# Altium PCB main - Copy.PcbDoc (part 7 of 14) (continued)
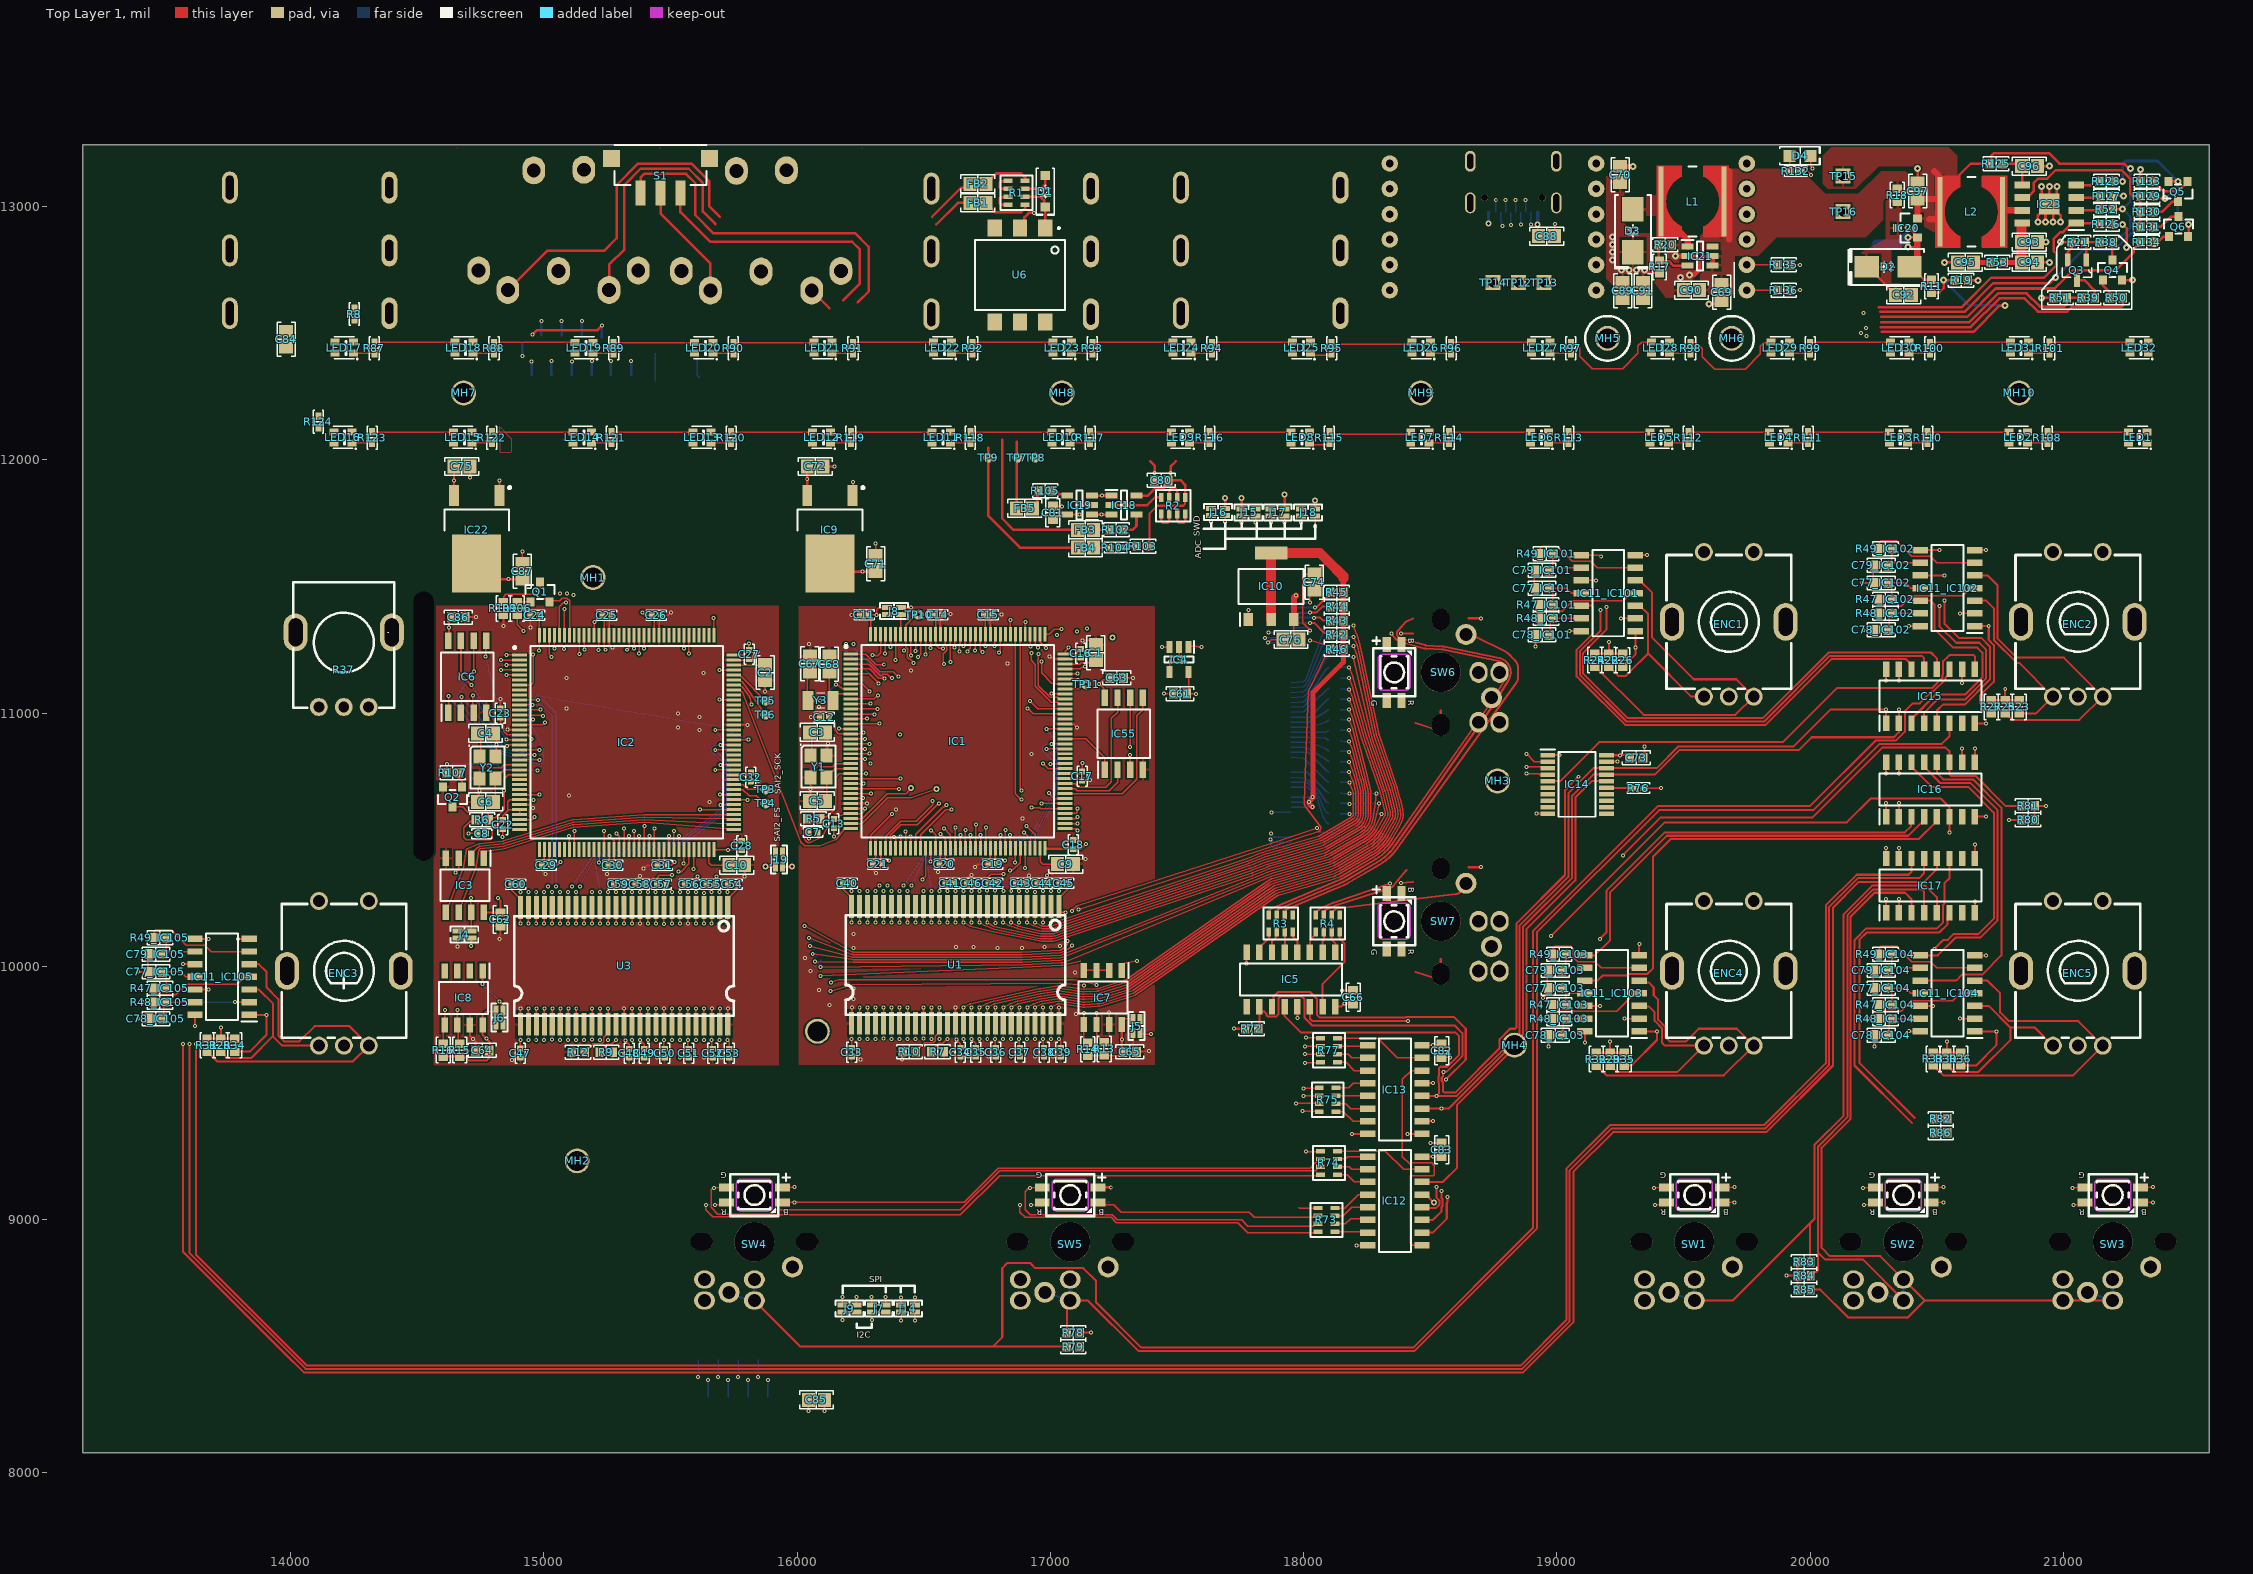
[diagram p0: Top Layer 1 view]
## Nets (pads, with @x,y where several pads share a name; then routed paths per layer and width w, separated by ;. In a path a pad name is that pad's centre, name@x,y a point inside that pad or via, vN(x,y) a via of type N, cw(c..) or ccw(c..) an arc to the next point about the centre after c; other vN are vias at no path point) (continued)
  Bottom 6+gnd w5: U2.44@16719.49,10236.22 v1@16719.49,10298.06 ; R65.2@18144.17,11096.87 18145,11096.69 18157.54,11094.03 v1(18179.31,11094.03)
D10: IC1.66 R66.2 U1.45 U2.45 | length 3395.8
  Top Layer 1 w5: U1.45@16750.98,9775.59 16751.23,9818.09 v1(16751.23,9837.68) 16752.7,9839.14 cw(c16756.23,9835.6) 16753.92,9840.04 16775.62,9851.31 cw(c16782.72,9837.68) 16779.47,9852.7 16959.98,9891.8 cw(c16971.7,9837.68) 16962.89,9892.35 17024.29,9902.22 cw(c17034.69,9837.68) 17044.53,9902.31 17126.5,9889.72 ccw(c17131.96,9924.67) 17133.79,9889.34 17183.87,9891.88 ccw(c17182.09,9927.2) 17192.58,9893.42 17303.03,9927.69 ccw(c17294.88,9953.96) 17310.63,9931.41 17867.03,10319.51 cw(c17906.89,10262.58) 17887.58,10329.34 18096.36,10389.75 ccw(c18056.25,10529.09) 18129.21,10403.78 18253.69,10476.43 ccw(c18180.42,10601.98) 18306.49,10529.6 18338.08,10584.61 ccw(c18307.4,10602.23) 18341.79,10610.53 18332.04,10650.89 ccw(c18297.66,10642.59) 18331.9,10651.46 18321.69,10690.67 ccw(c18287.45,10681.8) 18320.85,10693.46 18250.63,10898.5 cw(c18338.58,10928.53) 18249.14,10903.28 18194.1,11098.21 ccw(c18179.31,11094.03) 18193.76,11099.28 v1(18179.31,11139.03) ; v1(16860.36,10410.52) 16861.27,10411.44 IC1.66@16861.27,10466.15
  Layer 3 w5: v1(16751.23,9837.68) 16751.23,10149.87 ; v1(16860.36,10410.52) 16833.45,10403.33 ccw(c16840,10378.82) 16827.33,10400.81 16802.49,10386.49 ccw(c16815.15,10364.5) 16801.96,10386.18 16752.4,10356.02 ; 16749.77,10153.31 cw(c16746.23,10149.78) 16751.23,10149.87 ; 16749.77,10153.31 cw(c16746.23,10149.78) 16751.23,10149.87 ; 16749.77,10153.31 cw(c16746.23,10149.78) 16751.23,10149.87 ; 16749.77,10153.31 cw(c16746.23,10149.78) 16751.23,10149.87 ; 16749.77,10153.31 cw(c16746.23,10149.78) 16751.23,10149.87 ; 16749.77,10153.31 cw(c16746.23,10149.78) 16751.23,10149.87 ; 16749.77,10153.31 cw(c16746.23,10149.78) 16751.23,10149.87 ; 16749.77,10153.31 cw(c16746.23,10149.78) 16751.23,10149.87 ; 16749.77,10153.31 cw(c16746.23,10149.78) 16751.23,10149.87 ; 16749.77,10153.31 cw(c16746.23,10149.78) 16751.23,10149.87 ; 16749.77,10153.31 cw(c16746.23,10149.78) 16751.23,10149.87 ; 16749.77,10153.31 cw(c16746.23,10149.78) 16751.23,10149.87 ; 16749.77,10153.31 cw(c16746.23,10149.78) 16751.23,10149.87 ; 16749.77,10153.31 cw(c16746.23,10149.78) 16751.23,10149.87 ; 16749.77,10153.31 cw(c16746.23,10149.78) 16751.23,10149.87 ; 16749.77,10153.31 cw(c16746.23,10149.78) 16751.23,10149.87 ; 16749.77,10153.31 16739.84,10163.28 cw(c16750.74,10174.13) 16739.14,10184.22 16748.77,10195.28 ccw(c16745,10198.56) 16750,10198.47 v1(16750,10298.82) 16750,10351.75 ; 16750,10351.75 cw(c16755,10351.75) 16752.4,10356.02 ; 16750,10351.75 cw(c16755,10351.75) 16752.4,10356.02 ; 16750,10351.75 cw(c16755,10351.75) 16752.4,10356.02 ; 16750,10351.75 cw(c16755,10351.75) 16752.4,10356.02 ; 16750,10351.75 cw(c16755,10351.75) 16752.4,10356.02 ; 16750,10351.75 cw(c16755,10351.75) 16752.4,10356.02 ; 16750,10351.75 cw(c16755,10351.75) 16752.4,10356.02 ; 16750,10351.75 cw(c16755,10351.75) 16752.4,10356.02 ; 16750,10351.75 cw(c16755,10351.75) 16752.4,10356.02 ; 16750,10351.75 cw(c16755,10351.75) 16752.4,10356.02 ; 16750,10351.75 cw(c16755,10351.75) 16752.4,10356.02 ; 16750,10351.75 cw(c16755,10351.75) 16752.4,10356.02 ; 16750,10351.75 cw(c16755,10351.75) 16752.4,10356.02 ; 16750,10351.75 cw(c16755,10351.75) 16752.4,10356.02 ; 16750,10351.75 cw(c16755,10351.75) 16752.4,10356.02 ; 16750,10351.75 cw(c16755,10351.75) 16752.4,10356.02
  Bottom 6+gnd w5: v1(16750,10298.82) 16750,10237.2 U2.45@16750.98,10236.22 ; R66.2@18144.17,11138.18 18145.28,11138.18 18178.46,11138.18 v1(18179.31,11139.03)
D11: IC1.67 R67.2 U1.47 U2.47 | length 3725.4
  Top Layer 1 w5: U1.47@16813.98,9775.59 16814.22,9818.09 v1(16814.22,9837.68) 16815.69,9839.14 cw(c16819.22,9835.6) 16816.92,9840.04 16838.61,9851.31 cw(c16845.72,9837.68) 16840.84,9852.26 16869.16,9861.74 cw(c16877.21,9837.68) 16871.89,9862.48 16962.1,9882.02 cw(c16971.7,9837.68) 16964.5,9882.48 17025.87,9892.34 cw(c17034.69,9837.68) 17042.98,9892.43 17124.97,9879.84 ccw(c17131.96,9924.67) 17134.25,9879.35 17184.34,9881.89 ccw(c17182.09,9927.2) 17195.46,9883.85 17305.99,9918.14 ccw(c17294.88,9953.96) 17316.28,9923.16 17872.72,10311.29 cw(c17906.89,10262.58) 17890.36,10319.73 18099.16,10380.15 ccw(c18056.25,10529.09) 18134.23,10395.13 18258.73,10467.79 ccw(c18180.42,10601.98) 18315.18,10524.65 18346.73,10579.6 ccw(c18307.4,10602.23) 18351.51,10612.87 18341.76,10653.24 ccw(c18297.66,10642.59) 18341.58,10653.98 18331.37,10693.19 ccw(c18287.45,10681.8) 18330.31,10696.69 18260.11,10901.68 cw(c18338.58,10928.53) 18258.57,10906.72 18194.14,11143.07 ccw(c18179.31,11139.03) 18193.59,11144.72 v1(18179.31,11180.61) ; v1(16840,10378.82) 16850.4,10378.82 16881.06,10409.48 IC1.67@16881.06,10466.06
  Layer 3 w5: v1(16814.22,9837.68) 16814.22,10149.87 ; v1(16840,10378.82) 16828.78,10357.37 ; 16800.75,10182.37 ccw(c16813.73,10174.13) 16802.88,10163.24 ; 16800.75,10182.37 ccw(c16813.73,10174.13) 16802.88,10163.24 ; 16800.75,10182.37 ccw(c16813.73,10174.13) 16802.88,10163.24 ; 16800.75,10182.37 ccw(c16813.73,10174.13) 16802.88,10163.24 ; 16800.75,10182.37 ccw(c16813.73,10174.13) 16802.88,10163.24 ; 16800.75,10182.37 ccw(c16813.73,10174.13) 16802.88,10163.24 ; 16800.75,10182.37 ccw(c16813.73,10174.13) 16802.88,10163.24 ; 16800.75,10182.37 ccw(c16813.73,10174.13) 16802.88,10163.24 ; 16800.75,10182.37 ccw(c16813.73,10174.13) 16802.88,10163.24 ; 16800.75,10182.37 ccw(c16813.73,10174.13) 16802.88,10163.24 ; 16800.75,10182.37 ccw(c16813.73,10174.13) 16802.88,10163.24 ; 16800.75,10182.37 ccw(c16813.73,10174.13) 16802.88,10163.24 ; 16800.75,10182.37 ccw(c16813.73,10174.13) 16802.88,10163.24 ; 16800.75,10182.37 ccw(c16813.73,10174.13) 16802.88,10163.24 ; 16800.75,10182.37 ccw(c16813.73,10174.13) 16802.88,10163.24 ; 16800.75,10182.37 ccw(c16813.73,10174.13) 16802.88,10163.24 ; 16800.75,10182.37 16813.45,10202.39 ; 16802.88,10163.24 16812.77,10153.31 ; 16812.77,10153.31 cw(c16809.22,10149.78) 16814.22,10149.87 ; 16812.77,10153.31 cw(c16809.22,10149.78) 16814.22,10149.87 ; 16812.77,10153.31 cw(c16809.22,10149.78) 16814.22,10149.87 ; 16812.77,10153.31 cw(c16809.22,10149.78) 16814.22,10149.87 ; 16812.77,10153.31 cw(c16809.22,10149.78) 16814.22,10149.87 ; 16812.77,10153.31 cw(c16809.22,10149.78) 16814.22,10149.87 ; 16812.77,10153.31 cw(c16809.22,10149.78) 16814.22,10149.87 ; 16812.77,10153.31 cw(c16809.22,10149.78) 16814.22,10149.87 ; 16812.77,10153.31 cw(c16809.22,10149.78) 16814.22,10149.87 ; 16812.77,10153.31 cw(c16809.22,10149.78) 16814.22,10149.87 ; 16812.77,10153.31 cw(c16809.22,10149.78) 16814.22,10149.87 ; 16812.77,10153.31 cw(c16809.22,10149.78) 16814.22,10149.87 ; 16812.77,10153.31 cw(c16809.22,10149.78) 16814.22,10149.87 ; 16812.77,10153.31 cw(c16809.22,10149.78) 16814.22,10149.87 ; 16812.77,10153.31 cw(c16809.22,10149.78) 16814.22,10149.87 ; 16812.77,10153.31 cw(c16809.22,10149.78) 16814.22,10149.87 ; 16813.45,10202.39 ccw(c16809.22,10205.07) 16814.22,10204.98 ; 16813.45,10202.39 ccw(c16809.22,10205.07) 16814.22,10204.98 ; 16813.45,10202.39 ccw(c16809.22,10205.07) 16814.22,10204.98 ; 16813.45,10202.39 ccw(c16809.22,10205.07) 16814.22,10204.98 ; 16813.45,10202.39 ccw(c16809.22,10205.07) 16814.22,10204.98 ; 16814.22,10204.98 16814.22,10297.78 v1(16814.73,10298.28) 16814.73,10340.27 ; 16814.73,10340.27 cw(c16819.73,10340.27) 16816.17,10343.78 ; 16814.73,10340.27 cw(c16819.73,10340.27) 16816.17,10343.78 ; 16814.73,10340.27 cw(c16819.73,10340.27) 16816.17,10343.78 ; 16814.73,10340.27 cw(c16819.73,10340.27) 16816.17,10343.78 ; 16814.73,10340.27 cw(c16819.73,10340.27) 16816.17,10343.78 ; 16814.73,10340.27 cw(c16819.73,10340.27) 16816.17,10343.78 ; 16814.73,10340.27 cw(c16819.73,10340.27) 16816.17,10343.78 ; 16814.73,10340.27 cw(c16819.73,10340.27) 16816.17,10343.78 ; 16814.73,10340.27 cw(c16819.73,10340.27) 16816.17,10343.78 ; 16814.73,10340.27 cw(c16819.73,10340.27) 16816.17,10343.78 ; 16814.73,10340.27 cw(c16819.73,10340.27) 16816.17,10343.78 ; 16814.73,10340.27 cw(c16819.73,10340.27) 16816.17,10343.78 ; 16814.73,10340.27 cw(c16819.73,10340.27) 16816.17,10343.78 ; 16814.73,10340.27 cw(c16819.73,10340.27) 16816.17,10343.78 ; 16814.73,10340.27 cw(c16819.73,10340.27) 16816.17,10343.78 ; 16814.73,10340.27 cw(c16819.73,10340.27) 16816.17,10343.78 ; 16816.17,10343.78 16826.04,10353.65 ; 16826.04,10353.65 ccw(c16815.15,10364.5) 16828.78,10357.37 ; 16826.04,10353.65 ccw(c16815.15,10364.5) 16828.78,10357.37 ; 16826.04,10353.65 ccw(c16815.15,10364.5) 16828.78,10357.37 ; 16826.04,10353.65 ccw(c16815.15,10364.5) 16828.78,10357.37 ; 16826.04,10353.65 ccw(c16815.15,10364.5) 16828.78,10357.37 ; 16826.04,10353.65 ccw(c16815.15,10364.5) 16828.78,10357.37 ; 16826.04,10353.65 ccw(c16815.15,10364.5) 16828.78,10357.37 ; 16826.04,10353.65 ccw(c16815.15,10364.5) 16828.78,10357.37 ; 16826.04,10353.65 ccw(c16815.15,10364.5) 16828.78,10357.37 ; 16826.04,10353.65 ccw(c16815.15,10364.5) 16828.78,10357.37 ; 16826.04,10353.65 ccw(c16815.15,10364.5) 16828.78,10357.37 ; 16826.04,10353.65 ccw(c16815.15,10364.5) 16828.78,10357.37 ; 16826.04,10353.65 ccw(c16815.15,10364.5) 16828.78,10357.37 ; 16826.04,10353.65 ccw(c16815.15,10364.5) 16828.78,10357.37 ; 16826.04,10353.65 ccw(c16815.15,10364.5) 16828.78,10357.37 ; 16826.04,10353.65 ccw(c16815.15,10364.5) 16828.78,10357.37
  Bottom 6+gnd w5: U2.47@16813.98,10236.22 16814.73,10236.97 v1(16814.73,10298.28) ; R67.2@18145.28,11180.61 v1(18179.31,11180.61)
D12: IC1.68 R68.2 U1.48 U2.48 | length 3532
  Top Layer 1 w5: U1.48@16845.47,9775.59 16845.72,9818.09 v1(16845.72,9837.68) 16847.46,9839.19 cw(c16850.72,9835.4) 16848.4,9839.83 16869.99,9851.25 16870.1,9851.31 cw(c16877.21,9837.68) 16873.96,9852.7 16964.18,9872.24 cw(c16971.7,9837.68) 16966.09,9872.6 17027.49,9882.48 cw(c17034.69,9837.68) 17041.62,9882.52 17123.45,9869.95 ccw(c17131.96,9924.67) 17134.76,9869.37 17184.85,9871.9 ccw(c17182.09,9927.2) 17198.45,9874.31 17308.96,9908.59 ccw(c17294.88,9953.96) 17322.03,9914.98 17878.43,10303.07 cw(c17906.89,10262.58) 17893.14,10310.13 18101.98,10370.55 ccw(c18056.25,10529.09) 18139.27,10386.5 18263.77,10459.15 ccw(c18180.42,10601.98) 18323.86,10519.68 18355.4,10574.61 ccw(c18307.4,10602.23) 18361.23,10615.22 18351.48,10655.59 ccw(c18297.66,10642.59) 18351.26,10656.5 18341.04,10695.75 ccw(c18287.45,10681.8) 18339.77,10699.92 18269.56,10904.95 cw(c18338.58,10928.53) 18267.51,10912.15 v1(18196.42,11220.71) ; v1(16900,10388.82) 16900.37,10389.19 16900.37,10465.37 IC1.68@16900.63,10465.63
  Layer 3 w5: v1(16845.72,9837.68) 16845.72,10149.83 ; v1(16900,10388.82) 16846.67,10335.49 ; 16833.71,10184.32 ccw(c16845.23,10174.13) 16834.36,10163.26 ; 16833.71,10184.32 ccw(c16845.23,10174.13) 16834.36,10163.26 ; 16833.71,10184.32 ccw(c16845.23,10174.13) 16834.36,10163.26 ; 16833.71,10184.32 ccw(c16845.23,10174.13) 16834.36,10163.26 ; 16833.71,10184.32 ccw(c16845.23,10174.13) 16834.35,10163.26 ; 16833.71,10184.32 ccw(c16845.23,10174.13) 16834.35,10163.26 ; 16833.71,10184.32 16844.46,10196.48 ; 16834.36,10163.26 16844.25,10153.36 ; 16844.25,10153.36 cw(c16840.72,10149.83) 16845.72,10149.86 ; 16844.25,10153.36 cw(c16840.72,10149.83) 16845.72,10149.86 ; 16844.25,10153.36 cw(c16840.72,10149.83) 16845.72,10149.86 ; 16844.25,10153.36 cw(c16840.72,10149.83) 16845.72,10149.86 ; 16844.25,10153.36 cw(c16840.72,10149.83) 16845.72,10149.86 ; 16844.25,10153.36 cw(c16840.72,10149.83) 16845.72,10149.86 ; 16844.25,10153.36 cw(c16840.72,10149.83) 16845.72,10149.86 ; 16844.25,10153.36 cw(c16840.72,10149.83) 16845.72,10149.86 ; 16844.25,10153.36 cw(c16840.72,10149.83) 16845.72,10149.86 ; 16844.25,10153.36 cw(c16840.72,10149.83) 16845.72,10149.86 ; 16844.25,10153.36 cw(c16840.72,10149.83) 16845.72,10149.86 ; 16844.25,10153.36 cw(c16840.72,10149.83) 16845.72,10149.86 ; 16844.25,10153.36 cw(c16840.72,10149.83) 16845.72,10149.86 ; 16844.25,10153.36 cw(c16840.72,10149.83) 16845.72,10149.86 ; 16844.25,10153.36 cw(c16840.72,10149.83) 16845.72,10149.86 ; 16844.25,10153.36 cw(c16840.72,10149.83) 16845.72,10149.86 ; 16844.46,10196.48 ccw(c16840.72,10199.79) 16845.72,10199.7 ; 16844.46,10196.48 ccw(c16840.72,10199.79) 16845.72,10199.7 ; 16844.46,10196.48 ccw(c16840.72,10199.79) 16845.72,10199.7 ; 16844.46,10196.48 ccw(c16840.72,10199.79) 16845.72,10199.7 ; 16844.46,10196.48 ccw(c16840.72,10199.79) 16845.72,10199.7 ; 16844.46,10196.48 ccw(c16840.72,10199.79) 16845.72,10199.7 ; 16844.46,10196.48 ccw(c16840.72,10199.79) 16845.72,10199.7 ; 16844.46,10196.48 ccw(c16840.72,10199.79) 16845.72,10199.7 ; 16844.46,10196.48 ccw(c16840.72,10199.79) 16845.72,10199.7 ; 16844.46,10196.48 ccw(c16840.72,10199.79) 16845.72,10199.7 ; 16844.46,10196.48 ccw(c16840.72,10199.79) 16845.72,10199.7 ; 16844.46,10196.48 ccw(c16840.72,10199.79) 16845.72,10199.7 ; 16844.46,10196.48 ccw(c16840.72,10199.79) 16845.72,10199.7 ; 16844.46,10196.48 ccw(c16840.72,10199.79) 16845.72,10199.7 ; 16844.46,10196.48 ccw(c16840.72,10199.79) 16845.72,10199.7 ; 16844.46,10196.48 ccw(c16840.72,10199.79) 16845.72,10199.7 ; 16845.23,10331.97 cw(c16850.23,10331.97) 16846.67,10335.49 ; 16845.23,10331.97 cw(c16850.23,10331.97) 16846.67,10335.49 ; 16845.23,10331.97 cw(c16850.23,10331.97) 16846.67,10335.49 ; 16845.23,10331.97 cw(c16850.23,10331.97) 16846.67,10335.49 ; 16845.23,10331.97 cw(c16850.23,10331.97) 16846.67,10335.49 ; 16845.23,10331.97 cw(c16850.23,10331.97) 16846.67,10335.49 ; 16845.23,10331.97 cw(c16850.23,10331.97) 16846.67,10335.49 ; 16845.23,10331.97 cw(c16850.23,10331.97) 16846.67,10335.49 ; 16845.23,10331.97 cw(c16850.23,10331.97) 16846.67,10335.49 ; 16845.23,10331.97 cw(c16850.23,10331.97) 16846.67,10335.49 ; 16845.23,10331.97 cw(c16850.23,10331.97) 16846.67,10335.49 ; 16845.23,10331.97 cw(c16850.23,10331.97) 16846.67,10335.49 ; 16845.23,10331.97 cw(c16850.23,10331.97) 16846.67,10335.49 ; 16845.23,10331.97 cw(c16850.23,10331.97) 16846.67,10335.49 ; 16845.23,10331.97 cw(c16850.23,10331.97) 16846.67,10335.49 ; 16845.23,10331.97 cw(c16850.23,10331.97) 16846.67,10335.49 ; 16845.23,10331.97 16845.23,10298.31 v1(16845.48,10298.06) 16845.72,10297.82 16845.72,10199.7
  Bottom 6+gnd w5: U2.48@16845.47,10236.22 v1(16845.48,10298.06) ; R68.2@18144.17,11220.81 18145.27,11220.8 18157.54,11220.71 v1(18196.42,11220.71)
D13: IC1.77 R69.2 U1.50 U2.50 | length 3878.8
  Top Layer 1 w5: U1.50@16908.71,9775.83 16908.71,9818.09 v1(16908.71,9837.68) 16910.26,9839.16 cw(c16913.71,9835.53) 16911.39,9839.96 16933.12,9851.32 cw(c16940.21,9837.68) 16935.33,9852.25 16963.65,9861.74 cw(c16971.7,9837.68) 16967.7,9862.73 17029.08,9872.6 cw(c17034.69,9837.68) 17040.13,9872.63 17121.95,9860.07 ccw(c17131.96,9924.67) 17135.26,9859.38 17185.35,9861.91 ccw(c17182.09,9927.2) 17201.42,9864.75 17311.92,9899.04 ccw(c17294.88,9953.96) 17327.75,9906.78 17884.14,10294.87 cw(c17906.89,10262.58) 17895.91,10300.52 18104.8,10360.96 ccw(c18056.25,10529.09) 18144.31,10377.86 18268.81,10450.52 ccw(c18180.42,10601.98) 18332.5,10514.66 18364.07,10569.63 ccw(c18307.4,10602.23) 18370.95,10617.57 18361.22,10657.89 ccw(c18297.66,10642.59) 18360.93,10659.04 18350.71,10698.27 ccw(c18287.45,10681.8) 18349.24,10703.14 18279.03,10908.16 cw(c18338.58,10928.53) 18277.02,10915.44 18211.47,11223.83 ccw(c18196.42,11220.71) 18210.87,11225.96 v1(18196.42,11265.71) ; v1(16924.56,10626.89) 16958.5,10626.89 16962.32,10623.07 IC1.77@17057.76,10623.07
  Layer 3 w5: 16897.32,10163.29 cw(c16908.22,10174.13) 16896.7,10184.31 16907.46,10196.48 ; 16897.33,10163.28 16907.25,10153.31 ; v1(16908.71,9837.68) 16908.71,10149.87 ; v1(16924.56,10626.89) 16928.55,10602.04 ; 16928.55,10602 16932.82,10574.16 ; 16932.46,10516.87 16930.37,10358.62 ; 16932.46,10516.89 16933.11,10570 ; 16907.25,10153.31 cw(c16903.71,10149.78) 16908.71,10149.87 ; 16907.25,10153.31 cw(c16903.71,10149.78) 16908.71,10149.87 ; 16907.25,10153.31 cw(c16903.71,10149.78) 16908.71,10149.87 ; 16907.25,10153.31 cw(c16903.71,10149.78) 16908.71,10149.87 ; 16907.25,10153.31 cw(c16903.71,10149.78) 16908.71,10149.87 ; 16907.25,10153.31 cw(c16903.71,10149.78) 16908.71,10149.87 ; 16907.25,10153.31 cw(c16903.71,10149.78) 16908.71,10149.87 ; 16907.25,10153.31 cw(c16903.71,10149.78) 16908.71,10149.87 ; 16907.25,10153.31 cw(c16903.71,10149.78) 16908.71,10149.87 ; 16907.25,10153.31 cw(c16903.71,10149.78) 16908.71,10149.87 ; 16907.25,10153.31 cw(c16903.71,10149.78) 16908.71,10149.87 ; 16907.25,10153.31 cw(c16903.71,10149.78) 16908.71,10149.87 ; 16907.25,10153.31 cw(c16903.71,10149.78) 16908.71,10149.87 ; 16907.25,10153.31 cw(c16903.71,10149.78) 16908.71,10149.87 ; 16907.25,10153.31 cw(c16903.71,10149.78) 16908.71,10149.87 ; 16907.25,10153.31 cw(c16903.71,10149.78) 16908.71,10149.87 ; 16907.46,10196.48 ccw(c16903.71,10199.79) 16908.71,10199.7 ; 16907.46,10196.48 ccw(c16903.71,10199.79) 16908.71,10199.7 ; 16907.46,10196.48 ccw(c16903.71,10199.79) 16908.71,10199.7 ; 16907.46,10196.48 ccw(c16903.71,10199.79) 16908.71,10199.7 ; 16907.46,10196.48 ccw(c16903.71,10199.79) 16908.71,10199.7 ; 16907.46,10196.48 ccw(c16903.71,10199.79) 16908.71,10199.7 ; 16907.46,10196.48 ccw(c16903.71,10199.79) 16908.71,10199.7 ; 16907.46,10196.48 ccw(c16903.71,10199.79) 16908.71,10199.7 ; 16907.46,10196.48 ccw(c16903.71,10199.79) 16908.71,10199.7 ; 16907.46,10196.48 ccw(c16903.71,10199.79) 16908.71,10199.7 ; 16907.46,10196.48 ccw(c16903.71,10199.79) 16908.71,10199.7 ; 16907.46,10196.48 ccw(c16903.71,10199.79) 16908.71,10199.7 ; 16907.46,10196.48 ccw(c16903.71,10199.79) 16908.71,10199.7 ; 16907.46,10196.48 ccw(c16903.71,10199.79) 16908.71,10199.7 ; 16907.46,10196.48 ccw(c16903.71,10199.79) 16908.71,10199.7 ; 16907.46,10196.48 ccw(c16903.71,10199.79) 16908.71,10199.7 ; 16908.22,10319.97 cw(c16913.22,10319.97) 16909.09,10322.78 ; 16908.22,10319.97 cw(c16913.22,10319.97) 16909.09,10322.78 ; 16908.22,10319.97 cw(c16913.22,10319.97) 16909.09,10322.78 ; 16908.22,10319.97 cw(c16913.22,10319.97) 16909.09,10322.78 ; 16908.22,10319.97 cw(c16913.22,10319.97) 16909.09,10322.78 ; 16908.22,10319.97 cw(c16913.22,10319.97) 16909.09,10322.78 ; 16908.22,10319.97 cw(c16913.22,10319.97) 16909.09,10322.78 ; 16908.22,10319.97 cw(c16913.22,10319.97) 16909.09,10322.78 ; 16908.22,10319.97 cw(c16913.22,10319.97) 16909.09,10322.78 ; 16908.22,10319.97 cw(c16913.22,10319.97) 16909.09,10322.78 ; 16908.22,10319.97 cw(c16913.22,10319.97) 16909.09,10322.78 ; 16908.22,10319.97 cw(c16913.22,10319.97) 16909.09,10322.78 ; 16908.22,10319.97 cw(c16913.22,10319.97) 16909.09,10322.78 ; 16908.22,10319.97 cw(c16913.22,10319.97) 16909.09,10322.78 ; 16908.22,10319.97 cw(c16913.22,10319.97) 16909.09,10322.78 ; 16908.22,10319.97 cw(c16913.22,10319.97) 16909.09,10322.78 ; 16908.22,10319.97 v1(16908.22,10298.31) 16908.71,10297.82 16908.71,10199.7 ; 16909.09,10322.78 16927.71,10350.17 ; 16927.71,10350.17 ccw(c16915,10358.82) 16930.37,10358.62 ; 16927.71,10350.17 ccw(c16915,10358.82) 16930.37,10358.62 ; 16927.71,10350.17 ccw(c16915,10358.82) 16930.37,10358.62 ; 16927.71,10350.17 ccw(c16915,10358.82) 16930.37,10358.62 ; 16927.71,10350.17 ccw(c16915,10358.82) 16930.37,10358.62 ; 16927.71,10350.17 ccw(c16915,10358.82) 16930.37,10358.62 ; 16927.71,10350.17 ccw(c16915,10358.82) 16930.37,10358.62 ; 16927.71,10350.17 ccw(c16915,10358.82) 16930.37,10358.62 ; 16927.71,10350.17 ccw(c16915,10358.82) 16930.37,10358.62 ; 16927.71,10350.17 ccw(c16915,10358.82) 16930.37,10358.62 ; 16927.71,10350.17 ccw(c16915,10358.82) 16930.37,10358.62 ; 16927.71,10350.17 ccw(c16915,10358.82) 16930.37,10358.62 ; 16927.71,10350.17 ccw(c16915,10358.82) 16930.37,10358.62 ; 16927.71,10350.17 ccw(c16915,10358.82) 16930.37,10358.62 ; 16927.71,10350.17 ccw(c16915,10358.82) 16930.37,10358.62 ; 16927.71,10350.17 ccw(c16915,10358.82) 16930.37,10358.62 ; 16932.82,10574.16 cw(c16907.74,10570.31) 16933.11,10570 ; 16932.82,10574.16 cw(c16907.74,10570.31) 16933.11,10570 ; 16932.82,10574.16 cw(c16907.74,10570.31) 16933.11,10570 ; 16932.82,10574.16 cw(c16907.74,10570.31) 16933.11,10570 ; 16932.82,10574.16 cw(c16907.74,10570.31) 16933.11,10570 ; 16932.82,10574.16 cw(c16907.74,10570.31) 16933.11,10570 ; 16932.82,10574.16 cw(c16907.74,10570.31) 16933.11,10570 ; 16932.82,10574.16 cw(c16907.74,10570.31) 16933.11,10570 ; 16932.82,10574.16 cw(c16907.74,10570.31) 16933.11,10570 ; 16932.82,10574.16 cw(c16907.74,10570.31) 16933.11,10570 ; 16932.82,10574.16 cw(c16907.74,10570.31) 16933.11,10570 ; 16932.82,10574.16 cw(c16907.74,10570.31) 16933.11,10570 ; 16932.82,10574.16 cw(c16907.74,10570.31) 16933.11,10570 ; 16932.82,10574.16 cw(c16907.74,10570.31) 16933.11,10570 ; 16932.82,10574.16 cw(c16907.74,10570.31) 16933.11,10570 ; 16932.82,10574.16 cw(c16907.74,10570.31) 16933.11,10570
  Bottom 6+gnd w5: U2.50@16908.46,10236.22 v1@16908.46,10298.06 ; R69.2@18144.17,11262.13 18189.93,11262.13 18193.51,11265.71 v1(18196.42,11265.71)
D14: IC1.78 R70.2 U1.51 U2.51 | length 3637.7
  Top Layer 1 w5: U1.51@16940.21,9775.83 v1(16940.21,9837.68) 16941.76,9839.16 cw(c16945.21,9835.53) 16942.89,9839.96 16964.61,9851.31 cw(c16971.7,9837.68) 16969.32,9852.87 17030.67,9862.73 cw(c17034.69,9837.68) 17038.63,9862.74 17120.46,9850.18 ccw(c17131.96,9924.67) 17135.77,9849.39 17185.89,9851.93 ccw(c17182.09,9927.2) 17204.38,9855.2 17314.88,9889.49 ccw(c17294.88,9953.96) 17333.47,9898.57 17889.86,10286.67 cw(c17906.89,10262.58) 17898.69,10290.92 18107.62,10351.36 ccw(c18056.25,10529.09) 18149.35,10369.22 18273.85,10441.88 ccw(c18180.42,10601.98) 18341.18,10509.68 18372.74,10564.65 ccw(c18307.4,10602.23) 18380.67,10619.91 18370.94,10660.23 ccw(c18297.66,10642.59) 18370.61,10661.54 18360.39,10700.79 ccw(c18287.45,10681.8) 18358.72,10706.33 18288.5,10911.38 cw(c18338.58,10928.53) 18286.8,10917.52 18221.25,11225.93 ccw(c18196.42,11220.71) 18221.16,11226.35 18211.41,11269.13 ccw(c18196.42,11265.71) 18210.23,11272.46 v1(18196.42,11300.71) ; v1(16964.04,10643.46) 17031.22,10643.46 IC1.78@17057.6,10642.6
  Layer 3 w5: v1(16940.21,9837.68) 16940.21,10149.87 ; v1(16964.04,10643.46) 16965.86,10626.34 cw(c16960.88,10625.81) 16965.88,10625.6 16965.88,10625.55 16950.31,10356.77 cw(c16915,10358.82) 16949.18,10349.72 16940.37,10316.61 ; 16938.75,10153.31 cw(c16935.21,10149.78) 16940.21,10149.87 ; 16938.75,10153.31 cw(c16935.21,10149.78) 16940.21,10149.87 ; 16938.75,10153.31 cw(c16935.21,10149.78) 16940.21,10149.87 ; 16938.75,10153.31 cw(c16935.21,10149.78) 16940.21,10149.87 ; 16938.75,10153.31 cw(c16935.21,10149.78) 16940.21,10149.87 ; 16938.75,10153.31 cw(c16935.21,10149.78) 16940.21,10149.87 ; 16938.75,10153.31 cw(c16935.21,10149.78) 16940.21,10149.87 ; 16938.75,10153.31 cw(c16935.21,10149.78) 16940.21,10149.87 ; 16938.75,10153.31 cw(c16935.21,10149.78) 16940.21,10149.87 ; 16938.75,10153.31 cw(c16935.21,10149.78) 16940.21,10149.87 ; 16938.75,10153.31 cw(c16935.21,10149.78) 16940.21,10149.87 ; 16938.75,10153.31 cw(c16935.21,10149.78) 16940.21,10149.87 ; 16938.75,10153.31 cw(c16935.21,10149.78) 16940.21,10149.87 ; 16938.75,10153.31 cw(c16935.21,10149.78) 16940.21,10149.87 ; 16938.75,10153.31 cw(c16935.21,10149.78) 16940.21,10149.87 ; 16938.75,10153.31 cw(c16935.21,10149.78) 16940.21,10149.87 ; 16938.75,10153.31 16928.82,10163.28 cw(c16939.72,10174.13) 16928.19,10184.31 16938.95,10196.48 ; 16938.95,10196.48 ccw(c16935.21,10199.79) 16940.21,10199.7 ; 16938.95,10196.48 ccw(c16935.21,10199.79) 16940.21,10199.7 ; 16938.95,10196.48 ccw(c16935.21,10199.79) 16940.21,10199.7 ; 16938.95,10196.48 ccw(c16935.21,10199.79) 16940.21,10199.7 ; 16938.95,10196.48 ccw(c16935.21,10199.79) 16940.21,10199.7 ; 16938.95,10196.48 ccw(c16935.21,10199.79) 16940.21,10199.7 ; 16938.95,10196.48 ccw(c16935.21,10199.79) 16940.21,10199.7 ; 16938.95,10196.48 ccw(c16935.21,10199.79) 16940.21,10199.7 ; 16938.95,10196.48 ccw(c16935.21,10199.79) 16940.21,10199.7 ; 16938.95,10196.48 ccw(c16935.21,10199.79) 16940.21,10199.7 ; 16938.95,10196.48 ccw(c16935.21,10199.79) 16940.21,10199.7 ; 16938.95,10196.48 ccw(c16935.21,10199.79) 16940.21,10199.7 ; 16938.95,10196.48 ccw(c16935.21,10199.79) 16940.21,10199.7 ; 16938.95,10196.48 ccw(c16935.21,10199.79) 16940.21,10199.7 ; 16938.95,10196.48 ccw(c16935.21,10199.79) 16940.21,10199.7 ; 16938.95,10196.48 ccw(c16935.21,10199.79) 16940.21,10199.7 ; 16940.21,10199.7 v1(16940.21,10294.41) 16940.21,10315.33 ; 16940.21,10315.33 cw(c16945.21,10315.33) 16940.37,10316.61 ; 16940.21,10315.33 cw(c16945.21,10315.33) 16940.37,10316.61 ; 16940.21,10315.33 cw(c16945.21,10315.33) 16940.37,10316.61 ; 16940.21,10315.33 cw(c16945.21,10315.33) 16940.37,10316.61 ; 16940.21,10315.33 cw(c16945.21,10315.33) 16940.37,10316.61 ; 16940.21,10315.33 cw(c16945.21,10315.33) 16940.37,10316.61 ; 16940.21,10315.33 cw(c16945.21,10315.33) 16940.37,10316.61 ; 16940.21,10315.33 cw(c16945.21,10315.33) 16940.37,10316.61 ; 16940.21,10315.33 cw(c16945.21,10315.33) 16940.37,10316.61 ; 16940.21,10315.33 cw(c16945.21,10315.33) 16940.37,10316.61 ; 16940.21,10315.33 cw(c16945.21,10315.33) 16940.37,10316.61 ; 16940.21,10315.33 cw(c16945.21,10315.33) 16940.37,10316.61 ; 16940.21,10315.33 cw(c16945.21,10315.33) 16940.37,10316.61 ; 16940.21,10315.33 cw(c16945.21,10315.33) 16940.37,10316.61 ; 16940.21,10315.33 cw(c16945.21,10315.33) 16940.37,10316.61 ; 16940.21,10315.33 cw(c16945.21,10315.33) 16940.37,10316.61
  Bottom 6+gnd w5: U2.51@16939.96,10236.22 16940.21,10236.47 v1(16940.21,10294.41) ; R70.2@18147.1,11300.71 v1(18196.42,11300.71)